# KiCad board sbc.kicad_pcb (continued)
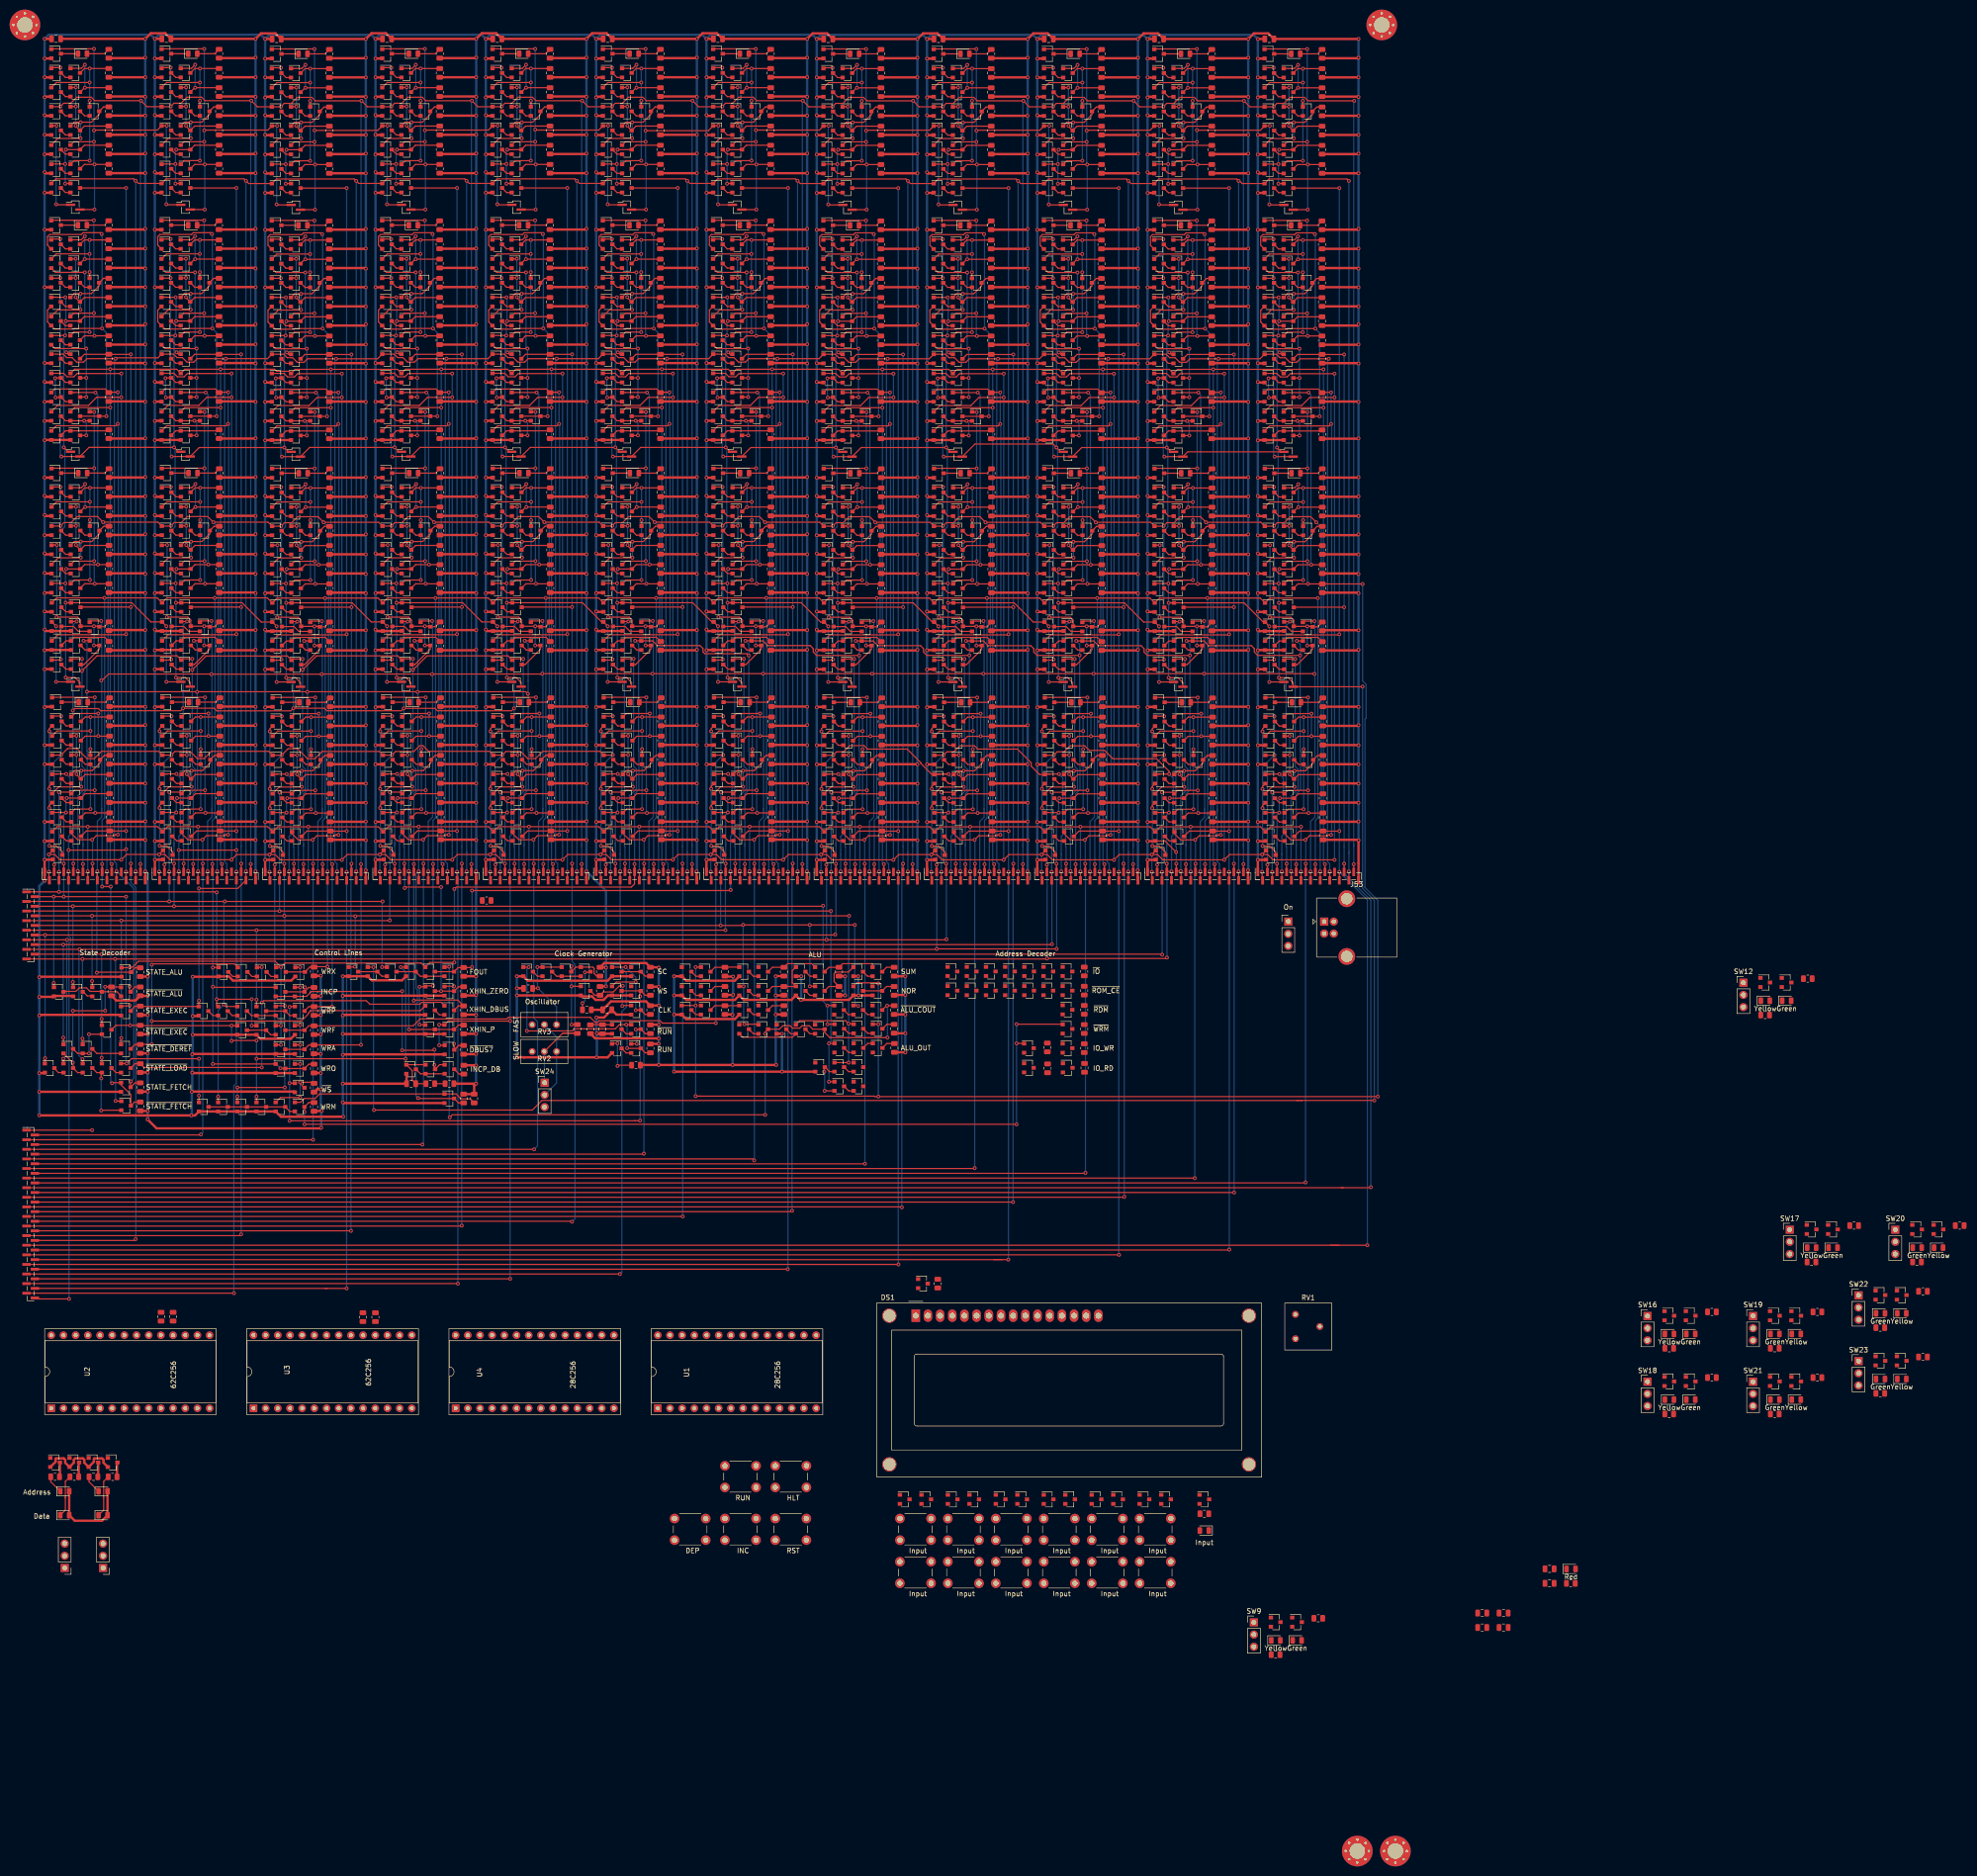
[diagram p0: board, top side]
## Routing (per net, layer and track width the routed paths; a pad name or vN(x,y) marks a point on that pad's centre or on a via; arc(x,y) is an arc through that point) (continued)
/Bit 0/A Register/A DFF/~{Q}: length 20.5
  Top w0.25: v1(261.45,347.72) 261.5,347.77 Q1033.1 ; v1(261.6,354.82) Q1040.3 265.46,355.73 R434.2 ; v1(261.45,351.82) 258.6,351.82 Q1037.1
  Bottom w0.25: v1(261.6,354.82) 261.45,354.67 v1(261.45,351.82) v1(261.45,347.72)
/Bit 0/AIN: length 92.2
  Top w0.25: v1(259.65,359.82) 258.6,359.82 Q1048.1 257.67,358.89 244.46,358.89 v1(244.45,358.9) ; Q956.1 235.63,375.85 244.42,375.85 v1(244.45,375.82) ; v1(244.45,356.46) 240.24,356.46 Q957.1 ; v1(259.55,343.42) 259.65,343.32 J46.1 ; Q952.3 242.46,351.73 v1(244.56,351.73) R397.2 ; v1(244.55,342.32) 241.52,342.32
  Bottom w0.25: v1(259.55,343.42) 259.55,359.72 v1(259.65,359.82) ; v1(244.55,342.32) 244.56,342.33 v1(244.56,351.73) 244.45,351.85 v1(244.45,356.46) v1(244.45,358.9) v1(244.45,375.82)
/Bit 0/P Register/P DFF/CLR: length 74.2
  Top w0.25: v1(270.05,299.22) Q1078.3 Q1077.3 ; Q1092.2 257.75,334.89 257.75,336.68 258.19,337.11 264.8,337.11 265.18,337.49 268.78,337.49 v1(269.05,337.22) ; Q1097.2 257.75,321.34 257.75,318.89 Q1091.2 259.26,317.39 263.24,317.39 263.37,317.52 v1(269.15,317.52)
  Bottom w0.25: v1(269.05,337.22) 269.15,337.12 v1(269.15,317.52) 270.05,316.62 v1(270.05,299.22)
/Bit 0/P Register/P DFF/Q: length 44.6
  Top w0.25: Q1088.1 258.61,340.09 267.4,340.09 v1(267.43,340.07) ; Q1084.3 265.44,315.98 v1(267.54,315.98) R449.2 ; Q1089.1 263.22,320.7 v1(267.43,320.7)
  Bottom w0.25: v1(267.43,340.07) v1(267.43,320.7) 267.43,316.09 v1(267.54,315.98)
/Bit 0/P Register/P DFF/SET: length 43.7
  Top w0.25: v1(265.53,329.21) 259.43,329.21 Q1087.2 ; Q1086.2 259.32,313.32 v1(265.85,313.32) ; Q1076.3 v1(265.85,303.22) ; v1(265.85,307.22) Q1075.3
  Bottom w0.25: v1(265.53,329.21) 265.53,313.64 v1(265.85,313.32) v1(265.85,307.22) v1(265.85,303.22)
/Bit 0/S Register/State FF/CLR: length 31.8
  Top w0.25: v1(258.13,217.52) 258.13,218.05 Q1107.2 ; Q1113.2 258.13,222.05 v1(258.13,221.52) ; v1(258.15,209.62) 259.6,209.62 260.85,208.37 Q600.3 ; v1(258.13,233.52) 258.13,234.05 Q1108.2
  Bottom w0.25: v1(258.15,209.62) 258.15,217.49 v1(258.13,217.52) v1(258.13,221.52) v1(258.13,233.52)
/Bit 0/X Register/X DFF/D: length 40.4
  Top w0.25: v1(267.45,251.42) Q1049.3 268.55,250.62 265.35,247.42 Q1051.3 ; R438.2 269.59,255.32 Q1052.3 268.45,255.42 v1(267.45,255.42) Q1053.3 264.65,256.69 264.02,257.32 v1(259.65,257.32) ; Q1072.1 258.65,272.36 v1(259.7,272.36)
  Bottom w0.25: v1(267.45,251.42) v1(267.45,255.42) ; 259.6,272.26 v1(259.7,272.36) 259.7,257.37 v1(259.65,257.32)
/Bit 0/~{XIN}: length 118.2
  Top w0.25: v1(259.55,255.42) Q1057.1 258.28,256.32 254.28,260.32 Q967.1 v1(238.55,260.32) ; v1(238.65,267.36) Q981.3 242.51,268.27 v1(245.3,268.27) R409.2 ; v1(238.5,264.36) 235.65,264.36 Q978.1 ; v1(238.55,244.72) 240.49,244.72 241.53,243.68 J43.2 ; v1(259.55,243.82) J47.1 ; v1(244.75,304.17) Q993.1
  Bottom w0.25: v1(244.75,304.17) 245.23,303.7 245.23,268.34 v1(245.3,268.27) ; v1(238.65,267.36) 238.5,267.21 v1(238.5,264.36) 238.5,260.37 v1(238.55,260.32) v1(238.55,244.72) ; v1(259.55,255.42) v1(259.55,243.82)
/Bit 1/A Register/A DFF/~{Q}: length 20.5
  Top w0.25: Q954.1 235.6,351.82 v1(238.45,351.82) ; Q950.1 238.5,347.77 v1(238.45,347.72) ; R400.2 242.46,355.73 Q957.3 v1(238.6,354.82)
  Bottom w0.25: v1(238.45,347.72) v1(238.45,351.82) 238.45,354.67 v1(238.6,354.82)
/Bit 1/AIN: length 92.2
  Top w0.25: v1(221.55,342.32) 218.52,342.32 ; v1(221.45,356.46) 217.24,356.46 Q874.1 ; v1(236.65,359.82) 235.6,359.82 Q965.1 234.67,358.89 221.54,358.89 v1(221.45,358.8) ; J42.1 236.65,343.32 v1(236.55,343.42) ; R363.2 v1(221.56,351.73) 219.46,351.73 Q869.3 ; v1(221.45,375.82) 221.42,375.85 212.63,375.85 Q873.1
  Bottom w0.25: v1(236.55,343.42) 236.55,359.72 v1(236.65,359.82) ; v1(221.55,342.32) 221.56,342.33 v1(221.56,351.73) 221.45,351.85 v1(221.45,356.46) v1(221.45,358.8) v1(221.45,375.82)
/Bit 1/INCP_CLK: length 174.3
  Top w0.25: v1(261.43,316.07) 258.58,316.07 Q1086.1 ; Q1056.1 260.4,248.37 v1(260.55,248.52) ; Q1073.1 262.06,312.17 v1(261.68,312.55) ; 259.63,324.07 258.58,324.07 Q1097.1 258.54,324.02 v1(261.48,324.02) ; v1(237.65,290.82) 241.52,290.82 242.52,291.82 J48.1 262.06,291.82 v1(261.15,292.72) ; Q1012.1 237.38,328.02 v1(237.43,328.07) ; v1(237.43,336.17) 235.68,336.17 Q1009.1 ; v1(261.58,319.07) Q1089.3 265.44,319.98 R452.2
  Bottom w0.25: v1(260.55,248.52) 260.55,275.34 261.38,276.16 261.38,292.5 v1(261.15,292.72) 261.15,314.73 ; v1(261.68,312.55) 261.15,313.08 261.15,314.73 ; v1(237.43,336.17) v1(237.43,328.07) 237.43,291.04 v1(237.65,290.82) ; 261.15,314.73 261.15,315.79 v1(261.43,316.07) 261.43,318.91 v1(261.58,319.07) 261.58,323.92 v1(261.48,324.02)
/Bit 1/P Register/P DFF/CLR: length 74.2
  Top w0.25: Q1014.2 234.75,321.34 234.75,318.89 Q1008.2 236.26,317.39 240.24,317.39 240.37,317.52 v1(246.15,317.52) ; v1(246.05,337.22) 245.78,337.49 242.18,337.49 241.8,337.11 235.19,337.11 234.75,336.68 234.75,334.89 Q1009.2 ; v1(247.05,299.22) Q995.3 Q994.3
  Bottom w0.25: v1(247.05,299.22) 247.05,316.62 v1(246.15,317.52) 246.15,337.12 v1(246.05,337.22)
/Bit 1/P Register/P DFF/Q: length 44.6
  Top w0.25: R415.2 v1(244.54,315.98) 242.44,315.98 Q1001.3 ; Q1006.1 240.22,320.7 v1(244.43,320.7) ; v1(244.43,340.07) 244.4,340.09 235.61,340.09 Q1005.1
  Bottom w0.25: v1(244.54,315.98) 244.43,316.09 v1(244.43,320.7) v1(244.43,340.07)
/Bit 1/P Register/P DFF/SET: length 43.7
  Top w0.25: Q1004.2 236.43,329.21 v1(242.53,329.21) ; Q1003.2 236.32,313.32 v1(242.85,313.32) ; Q993.3 v1(242.85,303.22) ; v1(242.85,307.22) Q992.3
  Bottom w0.25: v1(242.53,329.21) 242.53,313.64 v1(242.85,313.32) v1(242.85,307.22) v1(242.85,303.22)
/Bit 1/S Register/State FF/CLR: length 31.8
  Top w0.25: Q1024.2 235.13,218.05 v1(235.13,217.52) ; v1(235.13,233.52) 235.13,234.05 Q1025.2 ; v1(235.13,221.52) 235.13,222.05 Q1030.2 ; Q518.3 237.85,208.37 236.6,209.62 v1(235.15,209.62)
  Bottom w0.25: v1(235.15,209.62) 235.15,217.49 v1(235.13,217.52) v1(235.13,221.52) v1(235.13,233.52)
/Bit 1/X Register/X DFF/D: length 40.4
  Top w0.25: v1(236.7,272.36) 235.65,272.36 Q989.1 ; v1(244.45,251.42) Q966.3 245.55,250.62 242.35,247.42 Q968.3 ; R404.2 246.59,255.32 Q969.3 245.45,255.42 v1(244.45,255.42) Q970.3 241.65,256.69 241.02,257.32 v1(236.65,257.32)
  Bottom w0.25: v1(244.45,251.42) v1(244.45,255.42) ; 236.6,272.26 v1(236.7,272.36) 236.7,257.37 v1(236.65,257.32)
/Bit 1/~{XIN}: length 118.2
  Top w0.25: v1(215.55,260.32) Q884.1 229.32,260.32 233.32,256.32 Q974.1 v1(236.55,255.42) ; v1(215.65,267.36) Q898.3 219.51,268.27 v1(222.3,268.27) R375.2 ; Q895.1 212.65,264.36 v1(215.5,264.36) ; J39.2 218.53,243.68 217.49,244.72 v1(215.55,244.72) ; v1(221.75,304.17) Q910.1 ; v1(236.55,243.82) J43.1
  Bottom w0.25: v1(222.3,268.27) 222.23,268.34 222.23,303.7 v1(221.75,304.17) ; v1(215.65,267.36) 215.5,267.21 v1(215.5,264.36) 215.5,260.37 v1(215.55,260.32) v1(215.55,244.72) ; v1(236.55,255.42) v1(236.55,243.82)
/Bit 2/A Register/A DFF/~{Q}: length 20.5
  Top w0.25: Q871.1 212.6,351.82 v1(215.45,351.82) ; Q867.1 215.5,347.77 v1(215.45,347.72) ; R366.2 219.46,355.73 Q874.3 v1(215.6,354.82)
  Bottom w0.25: v1(215.6,354.82) 215.45,354.67 v1(215.45,351.82) v1(215.45,347.72)
/Bit 2/AIN: length 92.2
  Top w0.25: R329.2 v1(198.56,351.73) 196.46,351.73 Q786.3 ; v1(213.65,359.82) 212.6,359.82 Q882.1 211.67,358.89 198.54,358.89 v1(198.45,358.8) ; J38.1 213.65,343.32 v1(213.55,343.42) ; v1(198.55,342.32) J34.2 ; v1(198.45,356.46) 194.24,356.46 Q791.1 ; v1(198.45,375.82) 198.42,375.85 189.63,375.85 Q790.1
  Bottom w0.25: v1(213.65,359.82) 213.55,359.72 v1(213.55,343.42) ; v1(198.55,342.32) 198.56,342.33 v1(198.56,351.73) 198.45,351.85 v1(198.45,356.46) v1(198.45,358.8) v1(198.45,375.82)
/Bit 2/INCP_CLK: length 173.3
  Top w0.25: Q973.1 237.4,248.37 v1(237.55,248.52) ; v1(238.58,319.07) Q1006.3 242.44,319.98 R418.2 ; Q1003.1 235.58,316.07 v1(238.43,316.07) ; Q926.1 212.68,336.17 v1(214.43,336.17) ; Q990.1 239.06,312.17 v1(238.68,312.55) ; J44.1 239.06,291.82 v1(238.15,292.72) 220.43,292.72 218.52,290.82 v1(214.65,290.82) ; v1(238.48,324.02) 235.54,324.02 Q1014.1 235.58,324.07 236.63,324.07 ; Q929.1 214.38,328.02 v1(214.43,328.07)
  Bottom w0.25: 238.15,314.73 v1(238.15,292.72) 238.38,292.5 238.38,276.16 237.55,275.34 v1(237.55,248.52) ; 238.15,314.73 238.15,315.79 v1(238.43,316.07) 238.43,318.91 v1(238.58,319.07) 238.58,323.92 v1(238.48,324.02) ; 238.15,314.73 238.15,313.08 v1(238.68,312.55) ; v1(214.43,336.17) v1(214.43,328.07) 214.43,291.04 v1(214.65,290.82)
/Bit 2/P Register/P DFF/CLR: length 74.2
  Top w0.25: Q931.2 211.75,321.34 211.75,318.89 Q925.2 213.26,317.39 217.24,317.39 217.37,317.52 v1(223.15,317.52) ; v1(223.05,337.22) 222.78,337.49 219.18,337.49 218.8,337.11 212.19,337.11 211.75,336.68 211.75,334.89 Q926.2 ; Q911.3 Q912.3 v1(224.05,299.22)
  Bottom w0.25: v1(224.05,299.22) 224.05,316.62 v1(223.15,317.52) 223.15,337.12 v1(223.05,337.22)
/Bit 2/P Register/P DFF/Q: length 44.6
  Top w0.25: v1(221.43,320.7) 217.22,320.7 Q923.1 ; R381.2 v1(221.54,315.98) 219.44,315.98 Q918.3 ; Q922.1 212.61,340.09 221.4,340.09 v1(221.43,340.07)
  Bottom w0.25: v1(221.54,315.98) 221.43,316.09 v1(221.43,320.7) v1(221.43,340.07)
/Bit 2/P Register/P DFF/SET: length 43.7
  Top w0.25: Q910.3 v1(219.85,303.22) ; v1(219.85,307.22) Q909.3 ; v1(219.85,313.32) 213.32,313.32 Q920.2 ; Q921.2 213.43,329.21 v1(219.53,329.21)
  Bottom w0.25: v1(219.85,303.22) v1(219.85,307.22) v1(219.85,313.32) 219.53,313.64 v1(219.53,329.21)
/Bit 2/S Register/State FF/CLR: length 31.8
  Top w0.25: v1(212.13,217.52) 212.13,218.05 Q941.2 ; v1(212.15,209.62) 213.6,209.62 214.85,208.37 Q517.3 ; v1(212.13,221.52) 212.13,222.05 Q947.2 ; v1(212.13,233.52) 212.13,234.05 Q942.2
  Bottom w0.25: v1(212.15,209.62) 212.15,217.49 v1(212.13,217.52) v1(212.13,221.52) v1(212.13,233.52)
/Bit 2/X Register/X DFF/D: length 40.4
  Top w0.25: v1(221.45,251.42) Q883.3 222.55,250.62 219.35,247.42 Q885.3 ; v1(213.65,257.32) 218.02,257.32 218.65,256.69 Q887.3 v1(221.45,255.42) 222.45,255.42 Q886.3 223.59,255.32 R370.2 ; Q906.1 212.65,272.36 v1(213.7,272.36)
  Bottom w0.25: 213.6,272.26 v1(213.7,272.36) 213.7,257.37 v1(213.65,257.32) ; v1(221.45,251.42) v1(221.45,255.42)
/Bit 2/XOUT: length 57.4
  Top w0.25: v1(221.5,300.12) 220.6,300.12 Q912.1 ; Q893.3 219.51,264.27 v1(221.61,264.27) R372.2 ; v1(221.5,288.36) 221.47,288.39 212.68,288.39 Q897.1 ; Q898.1 217.29,269 v1(221.5,269)
  Bottom w0.25: v1(221.5,300.12) 221.5,288.93 v1(221.5,288.36) v1(221.5,269) 221.5,264.38 v1(221.61,264.27)
/Bit 2/~{XIN}: length 118.2
  Top w0.25: v1(213.55,243.82) J39.1 ; J35.2 195.53,243.68 194.49,244.72 v1(192.55,244.72) ; v1(192.65,267.36) Q815.3 196.51,268.27 v1(199.3,268.27) R341.2 ; v1(192.5,264.36) 189.65,264.36 Q812.1 ; v1(192.55,260.32) Q801.1 206.32,260.32 210.32,256.32 Q891.1 v1(213.55,255.42) ; v1(198.75,304.17) Q827.1
  Bottom w0.25: v1(192.55,244.72) v1(192.55,260.32) 192.5,260.37 v1(192.5,264.36) 192.5,267.21 v1(192.65,267.36) ; v1(198.75,304.17) 199.23,303.7 199.23,268.34 v1(199.3,268.27) ; v1(213.55,255.42) v1(213.55,243.82)
/Bit 3/A Register/A DFF/~{Q}: length 20.5
  Top w0.25: v1(192.6,354.82) Q791.3 196.46,355.73 R332.2 ; Q784.1 192.5,347.77 v1(192.45,347.72) ; Q788.1 189.6,351.82 v1(192.45,351.82)
  Bottom w0.25: v1(192.45,347.72) v1(192.45,351.82) 192.45,354.67 v1(192.6,354.82)
/Bit 3/AIN: length 92.2
  Top w0.25: v1(190.55,343.42) 190.65,343.32 J34.1 ; Q708.1 171.24,356.46 v1(175.45,356.46) ; v1(175.45,375.82) 175.42,375.85 166.63,375.85 Q707.1 ; Q703.3 173.46,351.73 v1(175.56,351.73) R295.2 ; v1(175.55,342.32) J30.2 ; v1(190.65,359.82) 189.6,359.82 Q799.1 188.67,358.89 175.54,358.89 v1(175.45,358.8)
  Bottom w0.25: v1(175.55,342.32) 175.56,342.33 v1(175.56,351.73) 175.45,351.85 v1(175.45,356.46) v1(175.45,358.8) v1(175.45,375.82) ; v1(190.55,343.42) 190.55,359.72 v1(190.65,359.82)
/Bit 3/INCP_CLK: length 173.9
  Top w0.25: v1(191.65,290.82) J36.2 198.15,293.45 214.43,293.45 v1(215.16,292.72) 216.06,291.82 J40.1 ; v1(191.43,336.17) 189.68,336.17 Q843.1 ; v1(214.55,248.52) 214.4,248.37 Q890.1 ; v1(215.48,324.02) 212.53,324.02 Q931.1 212.58,324.07 213.63,324.07 ; v1(215.58,319.07) Q923.3 219.44,319.98 R384.2 ; Q920.1 212.58,316.07 v1(215.43,316.07) ; v1(191.43,328.07) 191.38,328.02 Q846.1 ; v1(215.68,312.55) 216.06,312.17 Q907.1
  Bottom w0.25: 215.16,314.73 215.16,313.08 v1(215.68,312.55) ; 215.16,314.73 v1(215.16,292.72) 215.38,292.5 215.38,276.16 214.55,275.34 v1(214.55,248.52) ; 215.16,314.73 215.16,315.79 v1(215.43,316.07) 215.43,318.91 v1(215.58,319.07) 215.58,323.92 v1(215.48,324.02) ; v1(191.65,290.82) 191.43,291.04 v1(191.43,328.07) v1(191.43,336.17)
/Bit 3/P Register/P DFF/CLR: length 74.2
  Top w0.25: Q828.3 Q829.3 v1(201.05,299.22) ; v1(200.15,317.52) 194.37,317.52 194.24,317.39 190.26,317.39 Q842.2 188.75,318.89 188.75,321.34 Q848.2 ; Q843.2 188.75,334.89 188.75,336.68 189.19,337.11 195.8,337.11 196.18,337.49 199.78,337.49 v1(200.05,337.22)
  Bottom w0.25: v1(201.05,299.22) 201.05,316.62 v1(200.15,317.52) 200.15,337.12 v1(200.05,337.22)
/Bit 3/P Register/P DFF/Q: length 44.6
  Top w0.25: R347.2 v1(198.54,315.98) 196.44,315.98 Q835.3 ; v1(198.43,320.7) 194.22,320.7 Q840.1 ; v1(198.43,340.07) 198.4,340.09 189.61,340.09 Q839.1
  Bottom w0.25: v1(198.43,340.07) v1(198.43,320.7) 198.43,316.09 v1(198.54,315.98)
/Bit 3/P Register/P DFF/SET: length 43.7
  Top w0.25: Q838.2 190.43,329.21 v1(196.53,329.21) ; v1(196.85,313.32) 190.32,313.32 Q837.2 ; v1(196.85,307.22) Q826.3 ; Q827.3 v1(196.85,303.22)
  Bottom w0.25: v1(196.53,329.21) 196.53,313.64 v1(196.85,313.32) v1(196.85,307.22) v1(196.85,303.22)
/Bit 3/S Register/State FF/CLR: length 31.8
  Top w0.25: v1(189.13,221.52) 189.13,222.05 Q864.2 ; v1(189.13,217.52) 189.13,218.05 Q858.2 ; Q435.3 191.85,208.37 190.6,209.62 v1(189.15,209.62) ; Q859.2 189.13,234.05 v1(189.13,233.52)
  Bottom w0.25: v1(189.13,233.52) v1(189.13,221.52) v1(189.13,217.52) 189.15,217.49 v1(189.15,209.62)
/Bit 3/SOUT: length 65.7
  Top w0.25: R354.2 v1(198.72,216.49) 196.62,216.49 Q851.3 ; v1(191.15,220.82) 193.42,220.82 Q856.1 194.4,221.22 v1(198.61,221.22) ; v1(198.61,240.58) 198.58,240.61 189.79,240.61 Q855.1 ; v1(191.15,204.22) J33.4
  Bottom w0.25: v1(191.15,220.82) v1(191.15,204.22) ; v1(198.72,216.49) 198.61,216.61 v1(198.61,221.22) v1(198.61,240.58)
/Bit 3/X Register/X DFF/D: length 40.4
  Top w0.25: v1(190.65,257.32) 195.02,257.32 195.65,256.69 Q804.3 v1(198.45,255.42) 199.45,255.42 Q803.3 200.59,255.32 R336.2 ; Q823.1 189.65,272.36 v1(190.7,272.36) ; v1(198.45,251.42) Q800.3 199.55,250.62 196.35,247.42 Q802.3
  Bottom w0.25: v1(198.45,251.42) v1(198.45,255.42) ; v1(190.65,257.32) 190.7,257.37 v1(190.7,272.36) 190.6,272.26
/Bit 3/XOUT: length 57.4
  Top w0.25: v1(198.5,269) 194.29,269 Q815.1 ; Q810.3 196.51,264.27 v1(198.61,264.27) R338.2 ; v1(198.5,288.36) 198.47,288.39 189.68,288.39 Q814.1 ; v1(198.5,300.12) 197.6,300.12 Q829.1
  Bottom w0.25: v1(198.61,264.27) 198.5,264.38 v1(198.5,269) v1(198.5,288.36) 198.5,288.93 v1(198.5,300.12)
/Bit 3/~{XIN}: length 118.2
  Top w0.25: v1(190.55,243.82) J35.1 ; v1(169.55,244.72) 171.49,244.72 172.53,243.68 J31.2 ; Q744.1 v1(175.75,304.17) ; v1(169.55,260.32) Q718.1 185.28,260.32 189.28,256.32 Q808.1 v1(190.55,255.42) ; Q729.1 166.65,264.36 v1(169.5,264.36) ; R307.2 v1(176.3,268.27) 173.51,268.27 Q732.3 v1(169.65,267.36)
  Bottom w0.25: v1(176.3,268.27) 176.23,268.34 176.23,303.7 v1(175.75,304.17) ; v1(190.55,255.42) v1(190.55,243.82) ; v1(169.65,267.36) 169.5,267.21 v1(169.5,264.36) 169.5,260.37 v1(169.55,260.32) v1(169.55,244.72)
/Bit 4/A Register/A DFF/~{Q}: length 20.5
  Top w0.25: v1(169.45,351.82) 166.6,351.82 Q705.1 ; Q701.1 169.5,347.77 v1(169.45,347.72) ; v1(169.6,354.82) Q708.3 173.46,355.73 R298.2
  Bottom w0.25: v1(169.6,354.82) 169.45,354.67 v1(169.45,351.82) v1(169.45,347.72)
/Bit 4/AIN: length 92.2
  Top w0.25: v1(152.55,342.35) J26.2 ; Q624.1 143.63,375.87 152.42,375.87 v1(152.45,375.85) ; Q625.1 148.24,356.48 v1(152.45,356.48) ; v1(167.65,359.82) 166.6,359.82 Q716.1 165.7,358.92 152.47,358.92 v1(152.45,358.9) ; v1(167.55,343.42) 167.65,343.32 J30.1 ; R261.2 v1(152.56,351.76) 150.46,351.76 Q620.3
  Bottom w0.25: v1(152.55,342.35) 152.56,342.36 v1(152.56,351.76) 152.45,351.87 v1(152.45,356.48) v1(152.45,358.9) v1(152.45,375.85) ; v1(167.65,359.82) 167.55,359.72 v1(167.55,343.42)
/Bit 4/INCP_CLK: length 173.3
  Top w0.25: v1(191.55,248.52) 191.4,248.37 Q807.1 ; Q837.1 189.58,316.07 v1(192.43,316.07) ; v1(192.58,319.07) Q840.3 196.44,319.98 R350.2 ; J36.1 193.06,291.82 v1(192.16,292.72) 174.43,292.72 J32.2 v1(168.65,290.82) ; v1(192.48,324.02) 189.53,324.02 Q848.1 189.58,324.07 190.63,324.07 ; Q763.1 168.38,328.02 v1(168.43,328.07) ; Q824.1 193.06,312.17 v1(192.68,312.55) ; v1(168.43,336.17) 166.68,336.17 Q760.1
  Bottom w0.25: v1(192.48,324.02) 192.58,323.92 v1(192.58,319.07) 192.43,318.91 v1(192.43,316.07) 192.16,315.79 192.16,314.73 ; 192.16,314.73 v1(192.16,292.72) 192.38,292.5 192.38,276.16 191.55,275.34 v1(191.55,248.52) ; 192.16,314.73 192.16,313.08 v1(192.68,312.55) ; v1(168.65,290.82) 168.43,291.04 v1(168.43,328.07) v1(168.43,336.17)
/Bit 4/P Register/P DFF/CLR: length 74.2
  Top w0.25: Q760.2 165.75,334.89 165.75,336.68 166.19,337.11 172.8,337.11 173.18,337.49 176.78,337.49 v1(177.05,337.22) ; v1(177.15,317.52) 171.37,317.52 171.24,317.39 167.26,317.39 Q759.2 165.75,318.89 165.75,321.34 Q765.2 ; v1(178.05,299.22) Q746.3 Q745.3
  Bottom w0.25: v1(177.05,337.22) 177.15,337.12 v1(177.15,317.52) 178.05,316.62 v1(178.05,299.22)
/Bit 4/P Register/P DFF/Q: length 44.6
  Top w0.25: Q757.1 171.22,320.7 v1(175.43,320.7) ; Q752.3 173.44,315.98 v1(175.54,315.98) R313.2 ; Q756.1 166.61,340.09 175.4,340.09 v1(175.43,340.07)
  Bottom w0.25: v1(175.43,340.07) v1(175.43,320.7) 175.43,316.09 v1(175.54,315.98)
/Bit 4/P Register/P DFF/SET: length 43.7
  Top w0.25: Q744.3 v1(173.85,303.22) ; v1(173.53,329.21) 167.43,329.21 Q755.2 ; v1(173.85,307.22) Q743.3 ; v1(173.85,313.32) 167.32,313.32 Q754.2
  Bottom w0.25: v1(173.85,303.22) v1(173.85,307.22) v1(173.85,313.32) 173.53,313.64 v1(173.53,329.21)
/Bit 4/S Register/State FF/CLR: length 31.8
  Top w0.25: Q781.2 166.13,222.05 v1(166.13,221.52) ; Q434.3 168.85,208.37 167.6,209.62 v1(166.15,209.62) ; v1(166.13,233.52) 166.13,234.05 Q776.2 ; Q775.2 166.13,218.05 v1(166.13,217.52)
  Bottom w0.25: v1(166.13,233.52) v1(166.13,221.52) v1(166.13,217.52) 166.15,217.49 v1(166.15,209.62)
/Bit 4/SOUT: length 65.7
  Top w0.25: v1(168.15,220.82) 170.42,220.82 Q773.1 171.4,221.22 v1(175.61,221.22) ; v1(168.15,204.22) J29.4 ; Q772.1 166.79,240.61 175.58,240.61 v1(175.61,240.58) ; R320.2 v1(175.72,216.49) 173.62,216.49 Q768.3
  Bottom w0.25: v1(175.72,216.49) 175.61,216.61 v1(175.61,221.22) v1(175.61,240.58) ; v1(168.15,204.22) v1(168.15,220.82)
/Bit 4/X Register/X DFF/D: length 40.4
  Top w0.25: v1(167.7,272.36) 166.65,272.36 Q740.1 ; v1(175.45,251.42) Q717.3 176.55,250.62 173.35,247.42 Q719.3 ; R302.2 177.59,255.32 Q720.3 176.45,255.42 v1(175.45,255.42) Q721.3 172.65,256.69 172.02,257.32 v1(167.65,257.32)
  Bottom w0.25: v1(175.45,251.42) v1(175.45,255.42) ; 167.6,272.26 v1(167.7,272.36) 167.7,257.37 v1(167.65,257.32)
/Bit 4/XOUT: length 57.4
  Top w0.25: Q732.1 171.29,269 v1(175.5,269) ; Q727.3 173.51,264.27 v1(175.61,264.27) R304.2 ; v1(175.5,300.12) 174.6,300.12 Q746.1 ; Q731.1 166.68,288.39 175.47,288.39 v1(175.5,288.36)
  Bottom w0.25: v1(175.61,264.27) 175.5,264.38 v1(175.5,269) v1(175.5,288.36) 175.5,288.93 v1(175.5,300.12)
/Bit 4/~{XIN}: length 118.2
  Top w0.25: R273.2 v1(153.3,268.3) 150.51,268.3 Q649.3 v1(146.65,267.38) ; Q646.1 143.65,264.38 v1(146.5,264.38) ; v1(152.75,304.2) Q661.1 ; v1(146.55,260.35) 161.93,260.35 165.95,256.32 Q725.1 v1(167.55,255.42) ; v1(167.55,243.82) J31.1 ; J27.2 149.53,243.71 148.49,244.75 v1(146.55,244.75)
  Bottom w0.25: v1(152.75,304.2) 153.23,303.72 153.23,268.37 v1(153.3,268.3) ; v1(167.55,255.42) v1(167.55,243.82) ; v1(146.65,267.38) 146.5,267.23 v1(146.5,264.38) 146.5,260.39 v1(146.55,260.35) v1(146.55,244.75)
/Bit 5/A Register/A DFF/~{Q}: length 20.5
  Top w0.25: Q622.1 143.6,351.85 v1(146.45,351.85) ; R264.2 150.46,355.76 Q625.3 v1(146.6,354.85) ; Q618.1 146.5,347.8 v1(146.45,347.75)
  Bottom w0.25: v1(146.45,347.75) v1(146.45,351.85) 146.45,354.69 v1(146.6,354.85)
/Bit 5/AIN: length 92.2
  Top w0.25: R227.2 v1(129.56,351.76) 127.46,351.76 Q537.3 ; Q542.1 125.24,356.48 v1(129.45,356.48) ; J26.1 144.65,343.35 v1(144.55,343.45) ; v1(129.45,375.85) 129.42,375.87 120.63,375.87 Q541.1 ; v1(144.65,359.85) 143.6,359.85 Q633.1 142.56,358.8 v1(129.45,358.8) ; v1(129.55,342.35) J22.2
  Bottom w0.25: v1(144.65,359.85) 144.55,359.75 v1(144.55,343.45) ; v1(129.55,342.35) 129.56,342.36 v1(129.56,351.76) 129.45,351.87 v1(129.45,356.48) v1(129.45,358.8) v1(129.45,375.85)
/Bit 5/INCP_CLK: length 173.2
  Top w0.25: Q677.1 143.68,336.19 v1(145.43,336.19) ; v1(169.43,316.07) 166.58,316.07 Q754.1 ; J32.1 170.06,291.82 v1(169.16,292.72) 151.4,292.72 J28.2 v1(145.65,290.85) ; v1(169.58,319.07) Q757.3 173.44,319.98 R316.2 ; v1(145.43,328.09) 145.38,328.04 Q680.1 ; Q724.1 168.4,248.37 v1(168.55,248.52) ; 167.63,324.07 166.58,324.07 Q765.1 166.53,324.02 v1(169.48,324.02) ; v1(169.68,312.55) 170.06,312.17 Q741.1
  Bottom w0.25: v1(168.55,248.52) 168.55,275.34 169.38,276.16 169.38,292.5 v1(169.16,292.72) 169.16,314.73 ; 169.16,314.73 169.16,315.79 v1(169.43,316.07) 169.43,318.91 v1(169.58,319.07) 169.58,323.92 v1(169.48,324.02) ; 169.16,314.73 169.16,313.08 v1(169.68,312.55) ; v1(145.65,290.85) 145.43,291.07 v1(145.43,328.09) v1(145.43,336.19)
/Bit 5/P Register/P DFF/CLR: length 74.2
  Top w0.25: Q662.3 Q663.3 v1(155.05,299.25) ; Q682.2 142.75,321.36 142.75,318.92 Q676.2 144.26,317.41 148.24,317.41 148.37,317.55 v1(154.15,317.55) ; v1(154.05,337.25) 153.78,337.52 150.18,337.52 149.8,337.14 143.19,337.14 142.75,336.7 142.75,334.92 Q677.2
  Bottom w0.25: v1(155.05,299.25) 155.05,316.65 v1(154.15,317.55) 154.15,337.15 v1(154.05,337.25)
/Bit 5/P Register/P DFF/Q: length 44.6
  Top w0.25: v1(152.43,320.73) 148.22,320.73 Q674.1 ; Q673.1 143.61,340.12 152.4,340.12 v1(152.43,340.09) ; R279.2 v1(152.54,316) 150.44,316 Q669.3
  Bottom w0.25: v1(152.54,316) 152.43,316.12 v1(152.43,320.73) v1(152.43,340.09)
